# Altium PCB WX0.009.154PCB-4.2.PcbDoc (part 1 of 2) (continued)
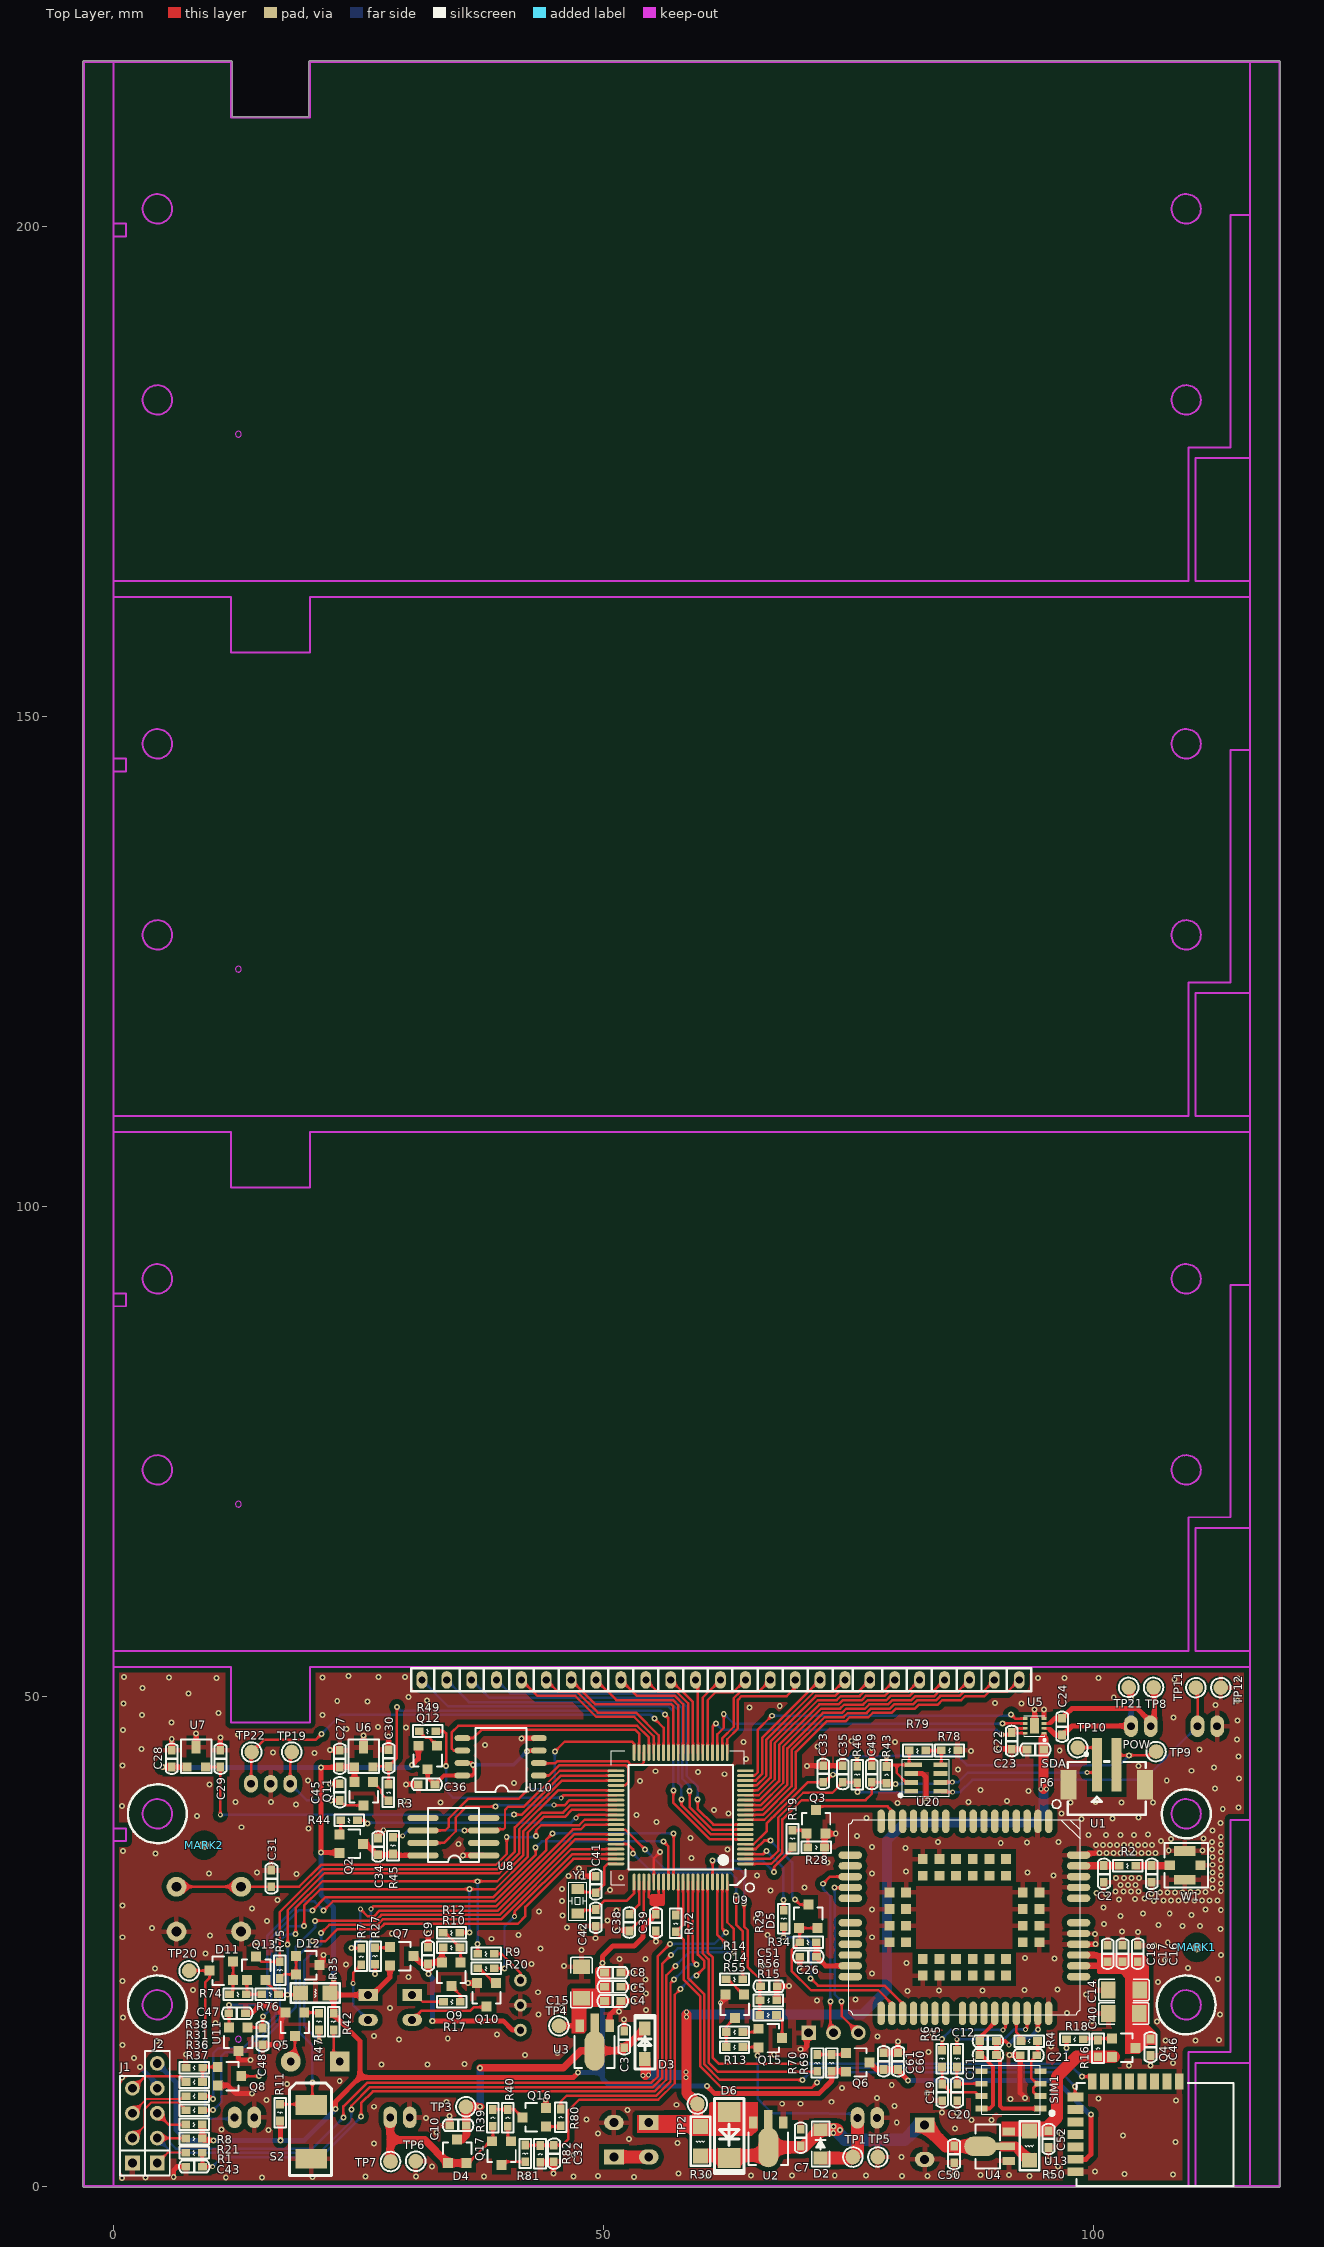
[diagram p0: Top Layer view]
## Footprints (in the part's own frame and the unit in brackets; to place one, negate y for a bottom-side part, rotate by r counter-clockwise, add the part's x,y. Pads: shape width x height; smd on the part's side, far side on the other; paste and mask are expansions set on the pad)
ANT-IPEX [mm] "IPX天线座"
  rect 1x1.05 smd: 1(0,0)
  rect 1x2.2 smd: 2(-1.475,1.55) 2(1.475,1.55)
  rect 1x1 smd: 2(0,3.151)
  silkscreen extent -2.26,-0.56 2.26,3.9
"Bar Code1" [mm]
  silkscreen extent 0,0 24.5,6.5
BC95B5JB-02-STD [mm]
  oval 2.4x0.75 smd: 1(-9.8,8.6) 2(-9.8,7.5) 3(-9.8,6.4) 4(-9.8,5.3) 5(-9.8,4.2) 6(-9.8,3.1) 7(-9.8,2) 8(-9.8,0.9) 9(-9.8,-0.2) 10(-9.8,-1.9) 11(-9.8,-3) 12(-9.8,-4.1) 13(-9.8,-5.2) 14(-9.8,-6.3) 15(-9.8,-7.4) 16(-9.8,-8.5) 28(9.8,-8.5) 29(9.8,-7.4) 30(9.8,-6.3) 31(9.8,-5.2) 32(9.8,-4.1) 33(9.8,-3) 34(9.8,-1.9) 35(9.8,-0.2) 36(9.8,0.9) 37(9.8,2) 38(9.8,3.1) 39(9.8,4.2) 40(9.8,5.3) 41(9.8,6.4) 42(9.8,7.5) 43(9.8,8.6)
  oval 0.75x2.4 smd: 17(-6.35,-11.65) 18(-5.25,-11.65) 19(-4.15,-11.65) 20(-3.05,-11.65) 21(-1.95,-11.65) 22(0.55,-11.65) 23(1.65,-11.65) 24(2.75,-11.65) 25(3.85,-11.65) 26(4.95,-11.65) 27(6.05,-11.65) 44(6.05,11.65) 45(4.95,11.65) 46(3.85,11.65) 47(2.75,11.65) 48(1.65,11.65) 49(0.55,11.65) 50(-1.95,11.65) 51(-3.05,11.65) 52(-4.15,11.65) 53(-5.25,11.65) 54(-6.35,11.65)
  rect 1x1 smd: 55(-5.95,4.25) 56(-5.95,2.55) 57(-5.95,0.85) 58(-5.95,-0.85) 59(-5.95,-2.55) 60(-5.95,-4.25) 61(-2.55,-7.65) 62(-0.85,-7.65) 63(0.85,-7.65) 64(2.55,-7.65) 65(5.95,-4.25) 66(5.95,-2.55) 67(5.95,-0.85) 68(5.95,0.85) 69(5.95,2.55) 70(5.95,4.25) 71(2.55,7.65) 72(0.85,7.65) 73(-0.85,7.65) 74(-2.55,7.65) 75(-4.25,4.25) 76(-4.25,2.55) 77(-4.25,0.85) 78(-4.25,-0.85) 79(-4.25,-2.55) 80(-4.25,-4.25) 81(-2.55,-5.95) 82(-0.85,-5.95) 83(0.85,-5.95) 84(2.55,-5.95) 85(4.25,-4.25) 86(4.25,-2.55) 87(4.25,-0.85) 88(4.25,0.85) 89(4.25,2.55) 90(4.25,4.25) 91(2.55,5.95) 92(0.85,5.95) 93(-0.85,5.95) 94(-2.55,5.95)
  silkscreen extent -9.95,-11.8 9.95,11.8, body extent -10.03,-12.07 10.03,11.94, height 2.2
CAP0603 [mil]
  rect 35x31 smd: 1(-0.49,0) 2(66.51,0)
  silkscreen extent -29,-24 94,23, body extent 1,-15 72,15, height 20
CAPPC_350_800_1600R [mm]
  rect 1.524x2 hole 0.9: 1(-2.5,-1.905)
  oval 1.524x2 hole 0.9: 2(-6,-1.905)
  silkscreen extent -8.5,-1.02 0,16, body extent -8.22,-1.56 -0.22,15.94, height 8
CAPPC_500_800_2000R [mm]
  rect 1.524x2 hole 0.9: 1(-1.75,0)
  oval 1.524x2 hole 0.9: 2(1.75,0)
  silkscreen extent -4,-21.78 4,-0.76, body extent -3.97,-21.82 4.03,0.35, height 8
DB809S [mm]
  rect 1.6x0.9 smd: 1(4.605,-5.295) 2(4.605,-4.025) 3(4.605,-2.755) 4(4.605,-1.485) 5(4.605,-0.215) 6(4.605,1.055) 7(4.605,2.325) 8(4.605,3.595)
  rect 0.9x1.6 smd: 9(3.015,5.295) 10(1.745,5.295) 11(0.475,5.295) 12(-0.795,5.295) 13(-2.065,5.295) 14(-3.335,5.295) 15(-4.605,5.295)
  silkscreen extent -6.04,-10.8 4.45,5.2
DO-214AC [mil]
  rect 80x90.55 smd: 1(-92.5,0) 2(92.5,0)
  silkscreen extent -146,-60 156,60, body extent -91,-53 90,53, height 94
GRM1206 [mm]
  rect 1.728x1.485 smd: 1(0,-1.593) 2(0,1.593)
  silkscreen extent -1.09,-2.56 1.09,2.56
HP303B [mm]
  rect 1.8x0.5 smd: 1(-1.3,1.35)
  rect 1.4x0.5 smd: 2(-1.5,0.45) 3(-1.5,-0.45) 4(-1.5,-1.35) 5(1.5,-1.35) 6(1.5,-0.45) 7(1.5,0.45) 8(1.5,1.35)
  silkscreen extent -2.74,-1.92 2.39,1.9
HYT-0903 [mil]
  rect 80x80 hole 32: 1(0,0)
  round 80 hole 32: 2(196.85,0)
  silkscreen extent -79,-177 275,177, body extent -78,-176 276,176, height 217
IR_254_532_300 [mm]
  rect 2x1.2 hole 0.813: 1(0,0)
  oval 2x1.2 hole 0.813: 2(0,-2.54)
  silkscreen extent -2.16,-3.23 2.16,0.91, body extent -1.65,-2.91 1.64,0.39, height 5.51
IRM-3638J7 [mm]
  round 1.3 hole 0.75: 1(0,2.54) 2(0,0) 3(0,-2.54)
  silkscreen extent -1.35,-3.43 8.31,3.43
LED2_300 [mm]
  rect 2x1.2 hole 0.813: 1(0,0)
  oval 2x1.2 hole 0.813: 2(0,-2.54)
  silkscreen extent -2.16,-2.53 2.16,0.91, body extent -1.65,-2.91 1.64,0.39, height 5.51
LQFP80 [mm]
  oval 1.7x0.3 smd: 1(-6.6,4.75) 2(-6.6,4.25) 3(-6.6,3.75) 4(-6.6,3.25) 5(-6.6,2.75) 6(-6.6,2.25) 7(-6.6,1.75) 8(-6.6,1.25) 9(-6.6,0.75) 10(-6.6,0.25) 11(-6.6,-0.25) 12(-6.6,-0.75) 13(-6.6,-1.25) 14(-6.6,-1.75) 15(-6.6,-2.25) 16(-6.6,-2.75) 17(-6.6,-3.25) 18(-6.6,-3.75) 19(-6.6,-4.25) 20(-6.6,-4.75) 41(6.6,-4.75) 42(6.6,-4.25) 43(6.6,-3.75) 44(6.6,-3.25) 45(6.6,-2.75) 46(6.6,-2.25) 47(6.6,-1.75) 48(6.6,-1.25) 49(6.6,-0.75) 50(6.6,-0.25) 51(6.6,0.25) 52(6.6,0.75) 53(6.6,1.25) 54(6.6,1.75) 55(6.6,2.25) 56(6.6,2.75) 57(6.6,3.25) 58(6.6,3.75) 59(6.6,4.25) 60(6.6,4.75)
  oval 0.3x1.7 smd: 21(-4.75,-6.6) 22(-4.25,-6.6) 23(-3.75,-6.6) 24(-3.25,-6.6) 25(-2.75,-6.6) 26(-2.25,-6.6) 27(-1.75,-6.6) 28(-1.25,-6.6) 29(-0.75,-6.6) 30(-0.25,-6.6) 31(0.25,-6.6) 32(0.75,-6.6) 33(1.25,-6.6) 34(1.75,-6.6) 35(2.25,-6.6) 36(2.75,-6.6) 37(3.25,-6.6) 38(3.75,-6.6) 39(4.25,-6.6) 40(4.75,-6.6) 61(4.75,6.6) 62(4.25,6.6) 63(3.75,6.6) 64(3.25,6.6) 65(2.75,6.6) 66(2.25,6.6) 67(1.75,6.6) 68(1.25,6.6) 69(0.75,6.6) 70(0.25,6.6) 71(-0.25,6.6) 72(-0.75,6.6) 73(-1.25,6.6) 74(-1.75,6.6) 75(-2.25,6.6) 76(-2.75,6.6) 77(-3.25,6.6) 78(-3.75,6.6) 79(-4.25,6.6) 80(-4.75,6.6)
  silkscreen extent -6.62,-6.81 7.1,6.91, body extent -5.33,-5.33 5.36,5.33, height 2
MARK [mm]
  round 1 smd: 0(0,0)
  round 1 smd far side: 1(0,0)
  Top Layer pour cut-out: -1.5,0 -1.386,-0.574 -1.061,-1.061 -0.574,-1.386 0,-1.5 0,-1.5 0.574,-1.386 1.061,-1.061 1.386,-0.574 1.5,0 1.5,0 1.386,0.574 1.061,1.061 0.574,1.386 0,1.5 0,1.5 -0.574,1.386 -1.061,1.061 -1.386,0.574 -1.5,0
  Bottom Layer pour cut-out: -1.5,0 -1.386,-0.574 -1.061,-1.061 -0.574,-1.386 0,-1.5 0,-1.5 0.574,-1.386 1.061,-1.061 1.386,-0.574 1.5,0 1.5,0 1.386,0.574 1.061,1.061 0.574,1.386 0,1.5 0,1.5 -0.574,1.386 -1.061,1.061 -1.386,0.574 -1.5,0
PCBComponent_1 [mm]
  oval 1.1x1.8 hole 0.732: 1(30.48,0) 2(27.94,0) 3(25.4,0) 4(22.86,0) 5(20.32,0) 6(17.78,0) 7(15.24,0) 8(12.7,0) 9(10.16,0) 10(7.62,0) 11(5.08,0) 12(2.54,0) 13(0,0) 14(-2.54,0) 15(-5.08,0) 16(-7.62,0) 17(-10.16,0) 18(-12.7,0) 19(-15.24,0) 20(-17.78,0) 21(-20.32,0) 22(-22.86,0) 23(-25.4,0) 24(-27.94,0) 25(-30.48,0)
  silkscreen extent -39,-29 40,1.17, body extent -39.12,-29.13 39.14,0.12, height 5
"PCBComponent_1 - duplicate" [mm]
  rect 5.5x1 smd mask+0.051: 1(-1.025,-1) 2(-1.025,1)
  rect 3x1.6 smd mask+0.051: 3(1.025,-3.9) 4(1.025,3.9)
  silkscreen extent -2.25,-4 4.1,4
PH200_1*2R [mm]
  oval 1.4x2.2 hole 0.8: 1(-1,0) 2(1,0)
  silkscreen extent -3,-6 3,1.6, body extent -3.18,-6.22 3.18,1.78, height 5
PH200_1*3R [mm]
  oval 1.4x1.8 hole 0.8: 1(-4,0) 2(-2,0) 3(0,0)
  silkscreen extent -6,-6 2,1.6, body extent -5.99,-5.97 2.01,1.57, height 4
PIN254_1*3*WXHJ [mm]
  rect 1.5x1.5 hole 0.9: 1(-5.08,0)
  round 1.5 hole 0.9: 2(-2.54,0) 3(0,0)
  silkscreen extent -6.35,-1.27 1.27,1.27
PIN254_1*4*WXHJ [mm] "Connector; Header; 4 Position"
  rect 1.5x1.5 hole 0.9: 1(0,0)
  round 1.5 hole 0.9: 2(2.54,0) 3(5.08,0) 4(7.62,0)
  silkscreen extent -1.27,-1.27 8.89,1.27, body extent -1.3,-1.3 8.86,1.24, height 8.54
PIN254_1*5*WXHJ [mm]
  rect 1.5x1.5 hole 0.9: 1(0,0)
  round 1.5 hole 0.9: 2(2.54,0) 3(5.08,0) 4(7.62,0) 5(10.16,0)
  silkscreen extent -1.27,-1.27 11.43,1.27
RES0603 [mil]
  rect 35x31 smd: 1(0,0) 2(67,0)
  silkscreen extent -26,-24 92,23, body extent 0,-15 71,15, height 12
RES1206 [mil]
  rect 60x60 smd: 1(0,0) 2(118.11,0)
  silkscreen extent -39,-39 157,39, body extent -28,-29 150,29, height 20
S-PWSON-N8 [mm]
  rect 0.5x0.28 smd: 1(-0.95,0.75) 2(-0.95,0.25) 3(-0.95,-0.25) 4(-0.95,-0.75) 5(0.95,-0.75) 6(0.95,-0.25) 7(0.95,0.25) 8(0.95,0.75)
  rect 0.9x1.6 smd: 9(0,0)
  silkscreen extent -1.09,-1.05 1.04,1.52, body extent -0.98,-1 1.02,1, height 0.77
SIMIC [mm]
  rect 0.6x1.2 smd: 1(4.405,6) 2(3.135,6) 3(1.865,6) 4(0.595,6) 5(0.595,0) 6(1.865,0) 7(3.135,0) 8(4.405,0)
  silkscreen extent 0,0 5,7.27, body extent 0,0 4.95,5.97, height 0.6
SMD-3215_2P [mm]
  rect 1x1.3 smd: 1(0,0) 2(2.5,0)
  silkscreen extent -0.69,-0.91 3.19,0.91, body extent -0.3,-0.99 2.9,0.99, height 0.7
SOD-123FL#1 [mm]
  rect 1.3x1.4 smd: 1(0.074,0) 2(2.974,0)
  silkscreen extent -0.78,-0.9 3.82,0.9, body extent -0.28,-0.82 3.32,0.82, height 0.95
SOD-123FL#2 [mm]
  rect 1.4x1.2 smd: 1(0,0) 2(3.1,0)
  silkscreen extent -1.02,-1.02 4.44,1.02, body extent -0.2,-0.81 3.4,0.84, height 0.95
SOP-8L-200MIL#1 [mm]
  oval 3.2x0.61 smd: 1(0.8,0) 2(0.8,-1.27) 3(0.8,-2.54) 4(0.8,-3.81) 5(7,-3.81) 6(7,-2.54) 7(7,-1.27) 8(7,0)
  silkscreen extent 1.27,-4.83 6.48,0.66, body extent 0.89,-4.35 6.89,0.55, height 1.7
SOP-8L-200MIL#2 [mm]
  oval 1.6x0.61 smd: 1(0,0) 2(0,-1.27) 3(0,-2.54) 4(0,-3.81) 5(7.8,-3.81) 6(7.8,-2.54) 7(7.8,-1.27) 8(7.8,0)
  silkscreen extent 1.27,-4.83 6.48,1.68, body extent 0.89,-4.35 6.89,0.55, height 1.7
SOT-23#1 [mil]
  rect 40x40 smd: 1(-37.4,-47.24) 2(37.4,-47.24) 3(0,47.24)
  silkscreen extent -57,-12 57,35, body extent -57,-55 57,55, height 47
SOT-23#2 [mil]
  rect 36x36 smd: 1(-37,-35) 2(38,-35)
  rect 36x50 smd: 3(0,45)
  silkscreen extent -60,-59 62,75, body extent -44,-35 44,45, height 39
SOT-89#1 [mil]
  rect 34x50 smd: 1(0,0) 3(120,0)
  oval 80x160 smd: 2(60,100)
  rect 34x100 smd: 2(60,0)
  silkscreen extent -20,40 140,170
SOT-89#2 [mil]
  rect 31.5x50 smd: 1(-59.06,-35.43) 3(59.06,-35.43)
  oval 78.74x129.92 smd: 2(0,78.74)
  rect 31.5x100 smd: 2(0,-10.43)
  silkscreen extent -89,0 89,98, body extent -89,-40 89,115, height 55
SWS_2_520_300 [mm]
  rect 2x3.2 smd: 1(0,0) 2(-5.5,0)
  silkscreen extent -7.2,-2.08 2.25,2.2
SWT_4_600_600 [mil]
  round 80 hole 40: 1(-130,-90) 1(130,-90) 2(-130,90) 2(130,90)
  silkscreen extent -180,-140 180,140, body extent -130,-90 130,90, height 157
TEST-PAD [mm]
  round 1.5 smd: 1(0,0)
  silkscreen extent -1,-1 1,1

## Part data
*: library part "AD_WXHJ_Bar Code_02", "条形码 ,填充，无需焊接器件"
B1: library part 1010602-0007, "直插,直径9mm,高5.5mm,5 V,2 V,30 mA,兴化市华宇电子有限公司,HYT-0903"
C1 C2 C41 C42: library part 101020103-0005, "12P,50 V,±5%,0603,国巨,CC0603JRNPO9BN12"
C3 C4 C61: library part 101020103-0026, "106pF,10 V,±10%,0603,村田,GRM188R61A106KE47D"
C5 C7 C9 C10 C11 C16 C22 C23 C24 C31 C33 C34 C35 C36 C38 C39 C50: library part 101020103-0021, "104pF,50 V,±10%,0603,国巨,CC0603KRX7R9BB104"
C6 C44: library part 1010202-0015, "1F,2.75 V,-20%~+20%,8mm*16mm,红宝石,2.7 DMC 1 M MY4 8X16"
C8: library part 101020103-0009, "22pF,50 V,±5%,0603,国巨,CC0603JRNPO9BN22"
C12 C17 C19 C20 C21 C43 C49: library part 101020103-0027, "33pF,50 V,±10%,0603,国巨,CC0603KRNPO9BN33"
C13: library part 1010203-0029, "1000uF,16 V,±20%,8*20mm,Rubycon,16ZLH1000M"
C14 C15 C40: library part 101020101-0020, "100uF,6.3 V,±20%,1206,村田,GRM31CR60J107ME39L"
C18 C32 C51: library part 101020103-0014, "10pF,50 V,±5%,0603,X7R,国巨,CC0603JRNPO9BN100"
C26 C27 C28 C45 C46 C48 C52 C60: library part 101020103-0003, "105pF,16 V,±10%,0603,国巨,CC0603KRX7R7BB105"
C29 C30 C47: library part 101020103-0022, "102pF,50 V,±10%,0603,国巨,CC0603KRX7R9BB102"
D1: library part 1010502-0005
D2: library part 101040101-0055, "DS36W,SOD123-FL,3 A,42 V,60 V,浙江领晨科技有限公司,DS36W"
D3: library part 101040101-0048, "DS12W,SOD-123FL,1 A,0.55 V,20 V,领晨科技,DS12W"
D4 D5 D11 D12: library part 101040101-0038, "BAT54CLT1，SOT23-3,SOT23-3,0.2 A,0.8 V,30 V,安森美,BAT54CLT1"
D6: library part 101040101-0009, "SS12,DO-214AC,1 A,0.55 V,20 V,昶鑫,SS12"
D7: library part 101040102-0001, "圆形插件,3mm 圆形,插件,红光,湖北匡通电子有限公司,3BB4HC"
J1: library part AD_WXHJ_PinHeader_01, "1*4 ，Φ1.0 ，2.54mm，直脚,无需焊接器件"
J2: library part AD_WXHJ_PinHeader_02, "1*5 ，Φ1.0 ，2.54mm，直脚,无需焊接器件"
LCD1: library part 1010801-0055, "GVH26634A-HPP-WG,65mm*23mm,针脚,段码,21,液晶,全透,70 ℃,-20 ℃,安徽金视界光电科技有限公司,GVH26634A-HPP-WG"
MARK1 MARK2: library part AD_WXHJ_MARK_01, "MARK点"
P1 P2 P3 P5 P6 P7: library part 1010902-0105, "2.0-2AW,直插弯座，2PIN，脚间距2mm，带防翘起,公头,单排,2.0-2AW;直插弯座，2PIN,脚间距2mm，带防翘起"
P9: library part 1010902-0104, "2.0-3AW,3PIN，2mm脚间距,公头,单排,2.0-3AW；3PIN，脚间距2mm直插弯座带防翘起"
P10: library part AD_WXHJ_PinHeader_04, "1*3 ，Φ1.0 ，2.54mm，直脚,无需焊接器件"
Q2 Q7 Q9 Q11 Q12 Q13 Q15 Q17: library part 101040201-0001, "9012,PNP,SOT-23,JCET;长电,S9012"
Q3 Q5 Q8 Q10 Q14 Q16: library part 101040201-0002, "9013,NPN,SOT-23,长电,S9013"
Q4 Q6: library part 101040201-0013, "UT3401ZG,P-MOS,SOT-23,UTC,UT3401ZG"
R1: library part 101010103-0022, "100R,±5%,1/10W,0603,国巨,RC0603JR-07100RL"
R2: library part 101010103-0001, "国巨,±5%,0603,,155 ℃,-55 ℃,RC0603J2-070RL,无铅,200 ppm/℃,1/10W,,0R"
R3 R14 R19 R27 R31 R47 R49 R74 R80: library part 101010103-0006, "国巨,±5%,0603,,155 ℃,-55 ℃,RC0603JR-073KL,无铅,100 ppm/℃,1/10W,,3K"
R4 R5 R6: library part 101010103-0009, "国巨,±5%,0603,,155 ℃,-55 ℃,RC0603JR-0722RL,无铅,200 ppm/℃,1/10W,,22欧"
R7 R12 R20 R28 R29 R36 R37 R38 R72: library part 101010103-0008, "1K,±5%,1/10W,0603,国巨,RC0603JR-071KL"
R8 R10 R13 R21 R39 R40 R44 R55 R76: library part 101010103-0003, "国巨,±5%,0603,,155 ℃,-55 ℃,RC0603JR-0710KL,无铅,200 ppm/℃,1/10W,,10K"
R9 R42: library part 101010103-0037, "国巨,±5%,0603,,155 ℃,-55 ℃,RC0603JR-0751RL,无铅,100 ppm/℃,1/10W,,51欧"
R11 R78 R79: library part 101010103-0002, "国巨,±5%,0603,,155 ℃,-55 ℃,RC0603JR-071ML,无铅,200 ppm/℃,1/10W,,1M"
R15 R81: library part 101010103-0066, "330K,±5%,1/10W,0603,国巨,RC0603JR-07330KL"
R16: library part 101010103-0025, "国巨,±5%,0603,,155 ℃,-55 ℃,RC0603JR-072ML,含铅,100 ppm/℃,1/10W,,2M"
R17: library part 101010103-0019, "220±5%,1/10W,0603,国巨,RC0603JR-07220RL"
R18: library part 101010103-0034, "200K,±5%,1/10W,0603,国巨,RC0603JR-07200KL"
R30 R35 R50: library part 101010101-0013, "0Ω,±5%,1/4W,1206,国巨,RC1206JR-070RL"
R34 R45: library part 101010103-0004, "国巨,±5%,0603,,155 ℃,-55 ℃,RC0603JR-0720KL,无铅,200 ppm/℃,1/10W,,20K"
R43 R46: library part 101010103-0015, "国巨,±5%,0603,,155 ℃,55 ℃,RC0603JR-075.1KL,无铅,200 ppm/℃,1/10W,,5.1k"
R56 R82: library part 101010103-0044, "220K,±5%,1/10W,0603,国巨,RC0603JR-07220KL"
R69 R70: library part 101010103-0003, "10K±5%,1/10W,0603"
R75: library part 101010103-0005, "国巨,±5%,0603,,155 ℃,-55 ℃,RC0603JR-07100KL,无铅,100 ppm/℃,1/10W,,100K"
S1: library part 1011001-0027, "TS-1102,机械轻触,6*6*4.3直插,6*6*4.3直插,乐清市羽欧电子"
S2: library part 1011001-0041, "CSX-SEN-660B,垂直30°开关转换,3*5.2mm,360°任意方位倾斜检测,杭州航特科技有限公司"
SIM1: library part AD_XN_SIMIC_01, "SIMIC虚拟器件"
TP1 TP2 TP3 TP4 TP5 TP6 TP7 TP8 TP9 TP10 TP11 TP12 TP19 TP20 TP21 TP22: library part AD_WXHJ_TEST-PAD_01, "单面焊盘测试点"
U1: library part 1011402-0141, "BC95-B5,23.6mm*19.9mm*2.2mm,BC95B5JC-02-STD,LCC贴片封装,上海移远通信技术股份"
U2: library part 1010503-0013, "S-1206B50-U3,S-1206B50-U3,SOT89-3,6.5 V,1.7 V,0.2 V,5 V,250mA@VIN≧VOUT(S)＋1.0 V﹐1.5 V≦VOUT(S),1 uA,精工电子"
U3: library part 1010503-0002, "S-1206B33-U3T1G,S-1206B33-U3T1G,SOT89-3,6.5 V,1.7 V,0.15 V,3.3 V,250mA@VIN≧VOUT(S)＋1.0 V﹐1.5 V≦VOUT(S),1 uA,精工电子"
U4: library part 1010503-0031, "CE6232A36P,CE6232A36P,SOT89-3,8 V,1.8 V,0.11 V,3.6 V,600mA,0.8 uA,南京芯力微电子有限公司"
U5: library part 101050101-0060, "DRV8837DSGR,S-PWSON-N8,TI,DRV8837DSGR"
U6 U7 U11: library part 1010504-0002, "S-5712ACDL1,SOT23-3,3.5 V,1.6 V,2 uA,精工电子,S-5712ACDL1"
U8: library part AD_XN_ESAM_01, "ESAM虚拟器件"
U10: library part 101050101-0165, "GD25VQ80CSIG,SOP8 208mil,北京兆易创新科技股份有限公司,GD25VQ80CSIG"
U12: library part 101040101-0059, "IRM-3638J7  直脚,插件,6 V,6 V,亿光电子工业股份有限公司,IRM-3638J7"
U13: library part 1011402-0196, "DB809S,-40°C ~ +85°C,低功耗蓝牙 5.0 模组，带屏蔽罩,16.0mm*10.5mm*2.3mm,2400MHz～2480MHz(BLE)/2360MHz～2500MHz(nRF 私有模式),深圳市好上好信息科技股份有限公司"
U20: library part 1011301-0022, "HP303B,4.7mm*3.7mm,惠贻华普,HP303B,含铅"
W1: library part 1010902-0053, "IPEX，配GPRS天线转接线"
Y1: library part 1010601-0009

## Via types
v1: diameter 0.61, hole 0.305, Top Layer to Bottom Layer, tented both sides, 536 vias
v2: diameter 0.508, hole 0.305, Top Layer to Bottom Layer, tented both sides, 19 vias
v3: diameter 0.508, hole 0.254, Top Layer to Bottom Layer, tented both sides, 8 vias
v4: diameter 0.635, hole 0.305, Top Layer to Bottom Layer, tented both sides, 6 vias

## Nets (pads, with @x,y where several pads share a name; then routed paths per layer and width w, separated by ;. In a path a pad name is that pad's centre, name@x,y a point inside that pad or via, vN(x,y) a via of type N, cw(c..) or ccw(c..) an arc to the next point about the centre after c; other vN are vias at no path point)
3.3V: C4.1 C5.1 C8.1 C15.1 C27.1 C28.1 C39.2 D7.1 J2.5 Q2.2 Q6.2 Q7.2 Q11.2 Q12.2 R8.1 R11.1 R21.1 R35.1 R42.2 R69.1 TP4.1 U3.3 U6.1 U7.1 U9.64 U9.66 U9.67 | length 196.5
  Top Layer w0.254: U9.64@54.662,31.043 54.662,29.48 55.27,28.872 ; 55.662,29.068 U9.66@55.662,31.043 ; 56.162,28.882 U9.67@56.162,31.043
  Top Layer w0.508: v4(5.029,42.774) U7.1@7.518,42.774 ; R8.1@9.09,6.289 R21.1@9.09,4.855 9.271,4.674 v1(10.236,4.674) ; R11.1@17.018,6.655 17.069,6.604 v4(17.069,4.674) ; v1(21.184,34.036) v1@21.197,34.036 ; R35.1@22.123,19.71 22.479,20.066 v1(22.479,21.184) v1@22.479,21.234 ; v1(22.682,7.849) 22.682,8.611 25.171,11.1 ; Q2.2@23.108,33.979 23.051,34.036 v1@21.197,34.036 ; Q11.2@24.602,41.253 24.613,41.263 U6.1@24.613,42.774 24.6,42.787 C27.1@23.114,42.787 23.076,42.748 v1(21.209,42.748) 21.197,42.736 v1@21.197,34.036 ; Q7.2@28.239,22.57 28.239,21.304 26.441,19.507 D7.1@26.01,19.507 22.327,19.507 22.479,19.355 22.479,17.526 25.171,14.834 25.171,11.1 ; v1(30.505,42.977) 31.136,43.608 Q12.2@31.136,44.947 ; TP4.1@45.491,16.358 U3.3@47.6,16.358 ; v1(47.447,11.582) 46.965,11.1 25.171,11.1 ; C8.1@49.924,21.793 49.924,23.457 50.978,24.511 53.162,24.511 54.077,25.425 54.077,26.454 C39.2@55.372,27.75 55.372,29.261 55.397,29.286 ; v1(60.604,10.211) 61.341,9.474 72.043,9.474 73.304,10.736 R69.1@73.304,11.735 Q6.2@74.71,11.735
  Bottom Layer w0.508: J2.5@4.496,12.522 6.401,10.617 6.401,5.74 7.468,4.674 v1(10.236,4.674) v4(17.069,4.674) 19.507,4.674 v1(22.682,7.849) ; v4(5.029,42.774) 5.004,42.748 v1(21.209,42.748) 30.277,42.748 v1(30.505,42.977) ; v1(21.184,34.036) 21.184,29.743 22.479,28.448 v1(22.479,21.184) ; v1(47.447,11.582) 49.936,11.582 ; v1(49.936,22.758) 49.936,11.582 ; v1(60.604,10.211) 50.698,10.211 49.936,10.973 49.936,11.582
3.6V: C3.1 C10.1 D3.2 D4.3 TP3.1 U3.2 | length 28
  Top Layer w0.762: D4.3@35.103,4.756 35.617,4.756 36.03,5.169 C10.1@36.03,6.198 36.03,8.065 TP3.1@35.992,8.103 v1(37.44,8.103) v1@37.49,8.103 ; v1(37.44,12.065) 45.949,12.065 47.701,13.818 U3.2@49.124,13.818 51.993,13.818 D3.2@54.254,16.079
  Bottom Layer w0.762: v1(37.44,8.103) v1(37.44,12.065)
5V: C6.1 C23.2 D3.1 D6.1 R30.2 TP2.1 U2.3 U5.1 | length 79.7
  Top Layer w0.635: 94.981,45.654 94.981,46.025
  Top Layer w1.016: D3.1@54.254,12.979 54.331,12.903 54.331,11.354 ; 58.496,17.526 58.496,9.5 TP2.1@59.614,8.382 59.614,6.378 R30.2@59.919,6.073 ; 94.958,40.538 C23.2@94.958,44.573 ; C23.2@94.958,44.628 94.958,45.631
  Bottom Layer w1.016: v2@54.305,11.354 58.496,11.354 ; 58.445,17.526 76.429,17.526 78.969,20.066 78.969,35.306 80.772,37.109 94.005,37.109 94.945,38.049 94.945,40.513
  other v2: 58.471,11.1 54.077,11.303 54.61,11.328 58.445,11.633 58.522,17.247 58.496,17.78 94.666,40.513 95.25,40.513
119: Q13.3 R75.2 U9.43 | length 49
  Top Layer w0.254: Q13.3@14.58,23.442 15.125,22.897 R75.2@16.993,22.897 16.993,27.969 21.384,32.36 39.214,32.36 40.996,34.141 40.996,36.602 45.786,41.393 U9.43@51.312,41.393
119_PWR: Q13.2 R35.2 R76.1 U9.45 | length 53
  Top Layer w0.254: Q13.2@15.53,21.042 15.53,20.919 R76.1@16.866,19.583 16.916,19.533 v1(17.805,19.533) 18.946,19.533 R35.2@19.123,19.71 ; v1(17.805,24.663) 17.805,28.171 21.562,31.928 39.393,31.928 41.427,33.962 41.427,36.424 45.397,40.393 U9.45@51.312,40.393
  Bottom Layer w0.254: v1(17.805,19.533) v1(17.805,24.663)
ADC_CTL: R14.1 U9.56 | length 24.7
  Top Layer w0.254: U9.56@51.312,34.893 52.534,34.893 53.061,34.366 v1(53.061,33.934) ; v1(63.576,29.642) 63.576,26.695 64.237,26.035 R14.1@64.237,21.107 R14.1@64.237,20.93
  Bottom Layer w0.254: v1(53.061,33.934) 55.016,31.979 63.017,31.979 63.576,31.42 v1(63.576,29.642)
B: C24.2 P3.2 TP8.1 U5.3 | length 16.6
  Top Layer w0.305: U5.3@94.981,47.223 95.572,47.223 95.656,47.307
  Top Layer w0.508: 95.656,47.307 96.088,47.74 C24.2@96.825,47.74 97.65,48.565 97.671,48.565 97.849,48.743 104.496,48.743 106.248,46.99 106.248,50.825 TP8.1@106.172,50.902
BLE_INTP5: R72.1 U9.70 | length 3.5
  Top Layer w0.254: R72.1@57.455,27.661 57.662,27.868 U9.70@57.662,31.043
BUZZ: R47.1 U9.57 | length 47.1
  Top Layer w0.254: v1(20.991,14.819) R47.1@20.991,15.94 ; v1(21.209,25.832) 22.047,26.67 26.962,26.67 27.547,27.254 39.605,27.254 46.744,34.393 U9.57@51.312,34.393
  Bottom Layer w0.254: v1(20.991,14.819) 19.482,16.328 19.482,22.981 21.209,24.708 v1(21.209,25.832)
CAP_CHK: C47.1 U9.69 U11.2 | length 65.2
  Top Layer w0.254: U11.2@11.82,16.2 v1(11.82,18.491) v1@11.82,18.526 ; v1(21.463,28.118) 22.403,29.058 38.966,29.058 44.173,34.265 44.173,35.334 v1(44.831,35.992) ; U9.69@57.162,31.043 57.201,31.082 v1(57.201,35.992)
  Bottom Layer w0.254: v1(11.82,18.491) 15.189,18.491 15.697,18.999 15.697,25.537 19.218,29.058 20.555,29.058 21.463,28.15 v1(21.463,28.118) ; v1(44.831,35.992) v1(57.201,35.992) v1@57.201,35.917
CAP_CTL: C48.1 U9.68 U11.1 | length 60
  Top Layer w0.254: U11.1@13.72,16.2 15.181,16.2 C48.1@15.24,16.141 v1@15.24,17.272 ; v1(20.32,28.143) 21.666,29.489 38.787,29.489 43.104,33.806 v1(43.104,34.569) ; v1(56.159,35.179) 56.662,34.676 U9.68@56.662,31.043
  Bottom Layer w0.254: v1(15.265,17.297) 16.129,18.161 16.129,25.358 18.914,28.143 v1(20.32,28.143) ; v1(43.104,34.569) 43.136,34.569 43.745,35.179 v1(56.159,35.179)
CLOSE: U5.5 U9.19 | length 33.9
  Top Layer w0.254: U9.19@64.512,41.893 65.439,41.893 65.786,42.24 65.786,46.584 v1(67.208,48.006) ; v1(91.643,48.133) 92.053,47.723 U5.5@93.081,47.723
  Bottom Layer w0.254: v1(67.208,48.006) 91.516,48.006 v1(91.643,48.133)
COM0: LCD1.1 U9.6 | length 45.2
  Top Layer w0.254: v1(57.175,40.361) 57.175,39.11 60.892,35.393 U9.6@64.512,35.393
  Bottom Layer w0.254: LCD1.1@31.496,51.664 34.188,48.971 56.664,48.971 57.175,48.46 v1(57.175,40.361)
COM1: LCD1.2 U9.7 | length 42.5
  Top Layer w0.254: v1(57.988,39.446) 57.988,38.913 61.008,35.893 U9.7@64.512,35.893
  Bottom Layer w0.254: LCD1.2@34.036,51.664 36.297,49.403 56.843,49.403 57.658,48.588 57.658,41.123 57.988,40.792 v1(57.988,39.446)
COM2: LCD1.3 U9.8 | length 39.8
  Top Layer w0.254: v1(58.826,40.31) 58.826,38.685 61.119,36.393 U9.8@64.512,36.393
  Bottom Layer w0.254: LCD1.3@36.576,51.664 38.405,49.835 57.022,49.835 58.09,48.767 58.09,41.58 58.826,40.843 v1(58.826,40.31) v1@58.826,40.26
COM3: LCD1.4 U9.9 | length 37
  Top Layer w0.254: v1@59.639,39.472 v1(59.639,39.446) 59.639,38.506 61.253,36.893 U9.9@64.512,36.893
  Bottom Layer w0.254: LCD1.4@39.116,51.664 40.513,50.267 57.201,50.267 58.522,48.946 58.522,41.885 59.639,40.767 v1(59.639,39.446)
ESAM_CLK: U8.6 U9.40 | length 28.7
  Top Layer w0.254: U8.6@31.608,36.297 33.884,36.297 34.239,36.652 34.239,37.516 36.271,39.548 41.402,39.548 v1(42.342,40.488) ; v1(45.06,44.348) 46.076,45.364 52.934,45.364 53.162,45.136 U9.40@53.162,44.243
  Bottom Layer w0.254: v1(42.342,40.488) 44.475,40.488 45.06,41.072 v1(45.06,44.348)
ESAM_POW: R44.1 U9.50 | length 27.2
  Top Layer w0.254: R44.1@24.917,37.338 R44.1@25.121,37.338 ; R44.1@24.943,37.109 24.917,37.135 R44.1@25.121,37.338 ; v1(25.959,37.033) 25.654,37.338 R44.1@25.121,37.338 ; v2(47.219,37.592) 47.519,37.893 U9.50@51.312,37.893
  Bottom Layer w0.254: v1(25.959,37.033) 26.035,37.109 46.736,37.109 v2(47.219,37.592)
ESAM_RST: U8.7 U9.47 | length 22.4
  Top Layer w0.254: U8.7@31.608,35.027 33.757,35.027 34.95,36.22 34.95,37.616 36.069,38.735 v1(38.989,38.735) ; v2(44.983,38.887) 45.009,38.862 46.036,38.862 46.566,39.393 U9.47@51.312,39.393
  Bottom Layer w0.254: v1(38.989,38.735) 39.141,38.887 v2(44.983,38.887)
ESAM_SDA: R45.2 U8.3 U9.41 | length 26.7
  Top Layer w0.254: R45.2@28.541,35.605 28.674,35.738 v3(29.54,35.738) ; v1(35.865,36.297) U8.3@37.808,36.297 37.935,36.424 39.827,36.424 39.98,36.576 39.98,38.405 40.31,38.735 41.907,38.735 45.565,42.393 U9.41@51.312,42.393
  Bottom Layer w0.254: v3(29.54,35.738) 30.099,36.297 v1(35.865,36.297)
FLASH_CLK: U9.37 U10.6 | length 25.3
  Top Layer w0.254: U10.6@35.634,44.45 34.747,44.45 34.529,44.668 34.529,46.289 35.23,46.99 53.465,46.99 54.662,45.793 U9.37@54.662,44.243
FLASH_CS: U9.44 U10.1 | length 12.5
  Top Layer w0.254: U10.1@43.434,41.91 44.471,41.91 45.499,42.938 52.311,42.938 52.578,42.671 52.578,41.24 52.231,40.893 U9.44@51.312,40.893
FLASH_CTL: R49.1 U9.46 | length 24.7
  Top Layer w0.254: R49.1@32.918,46.431 33.731,46.431 33.96,46.203 v1(33.96,42.886) ; v2(45.72,39.624) 45.989,39.893 U9.46@51.312,39.893
  Bottom Layer w0.254: v1(33.96,42.886) 33.96,40.361 34.671,39.649 45.695,39.649 v2(45.72,39.624)
FLASH_MISO: U9.38 U10.2 | length 12.1
  Top Layer w0.254: U10.2@43.434,43.18 43.469,43.145 45.095,43.145 45.32,43.37 52.49,43.37 52.867,42.993 53.889,42.993 54.162,43.265 U9.38@54.162,44.243
FLASH_MOSI: U9.39 U10.5 | length 20.5
  Top Layer w0.254: U10.5@35.634,45.72 36.728,45.72 37.567,46.558 53.286,46.558 53.662,46.182 U9.39@53.662,44.243
GD_PWR: C45.1 P9.3 Q11.3 TP19.1 | length 11.5
  Top Layer w0.254: P9.3@18.059,41.072 TP19.1@18.059,44.145 ; v1(22.225,39.37) 22.237,39.358 C45.1@23.114,39.358 23.618,38.853 Q11.3@25.552,38.853
  Bottom Layer w0.254: P9.3@18.059,41.072 19.761,39.37 v1(22.225,39.37)